# KiCad board DIP8breakout+potToUSB.kicad_pcb (continued)
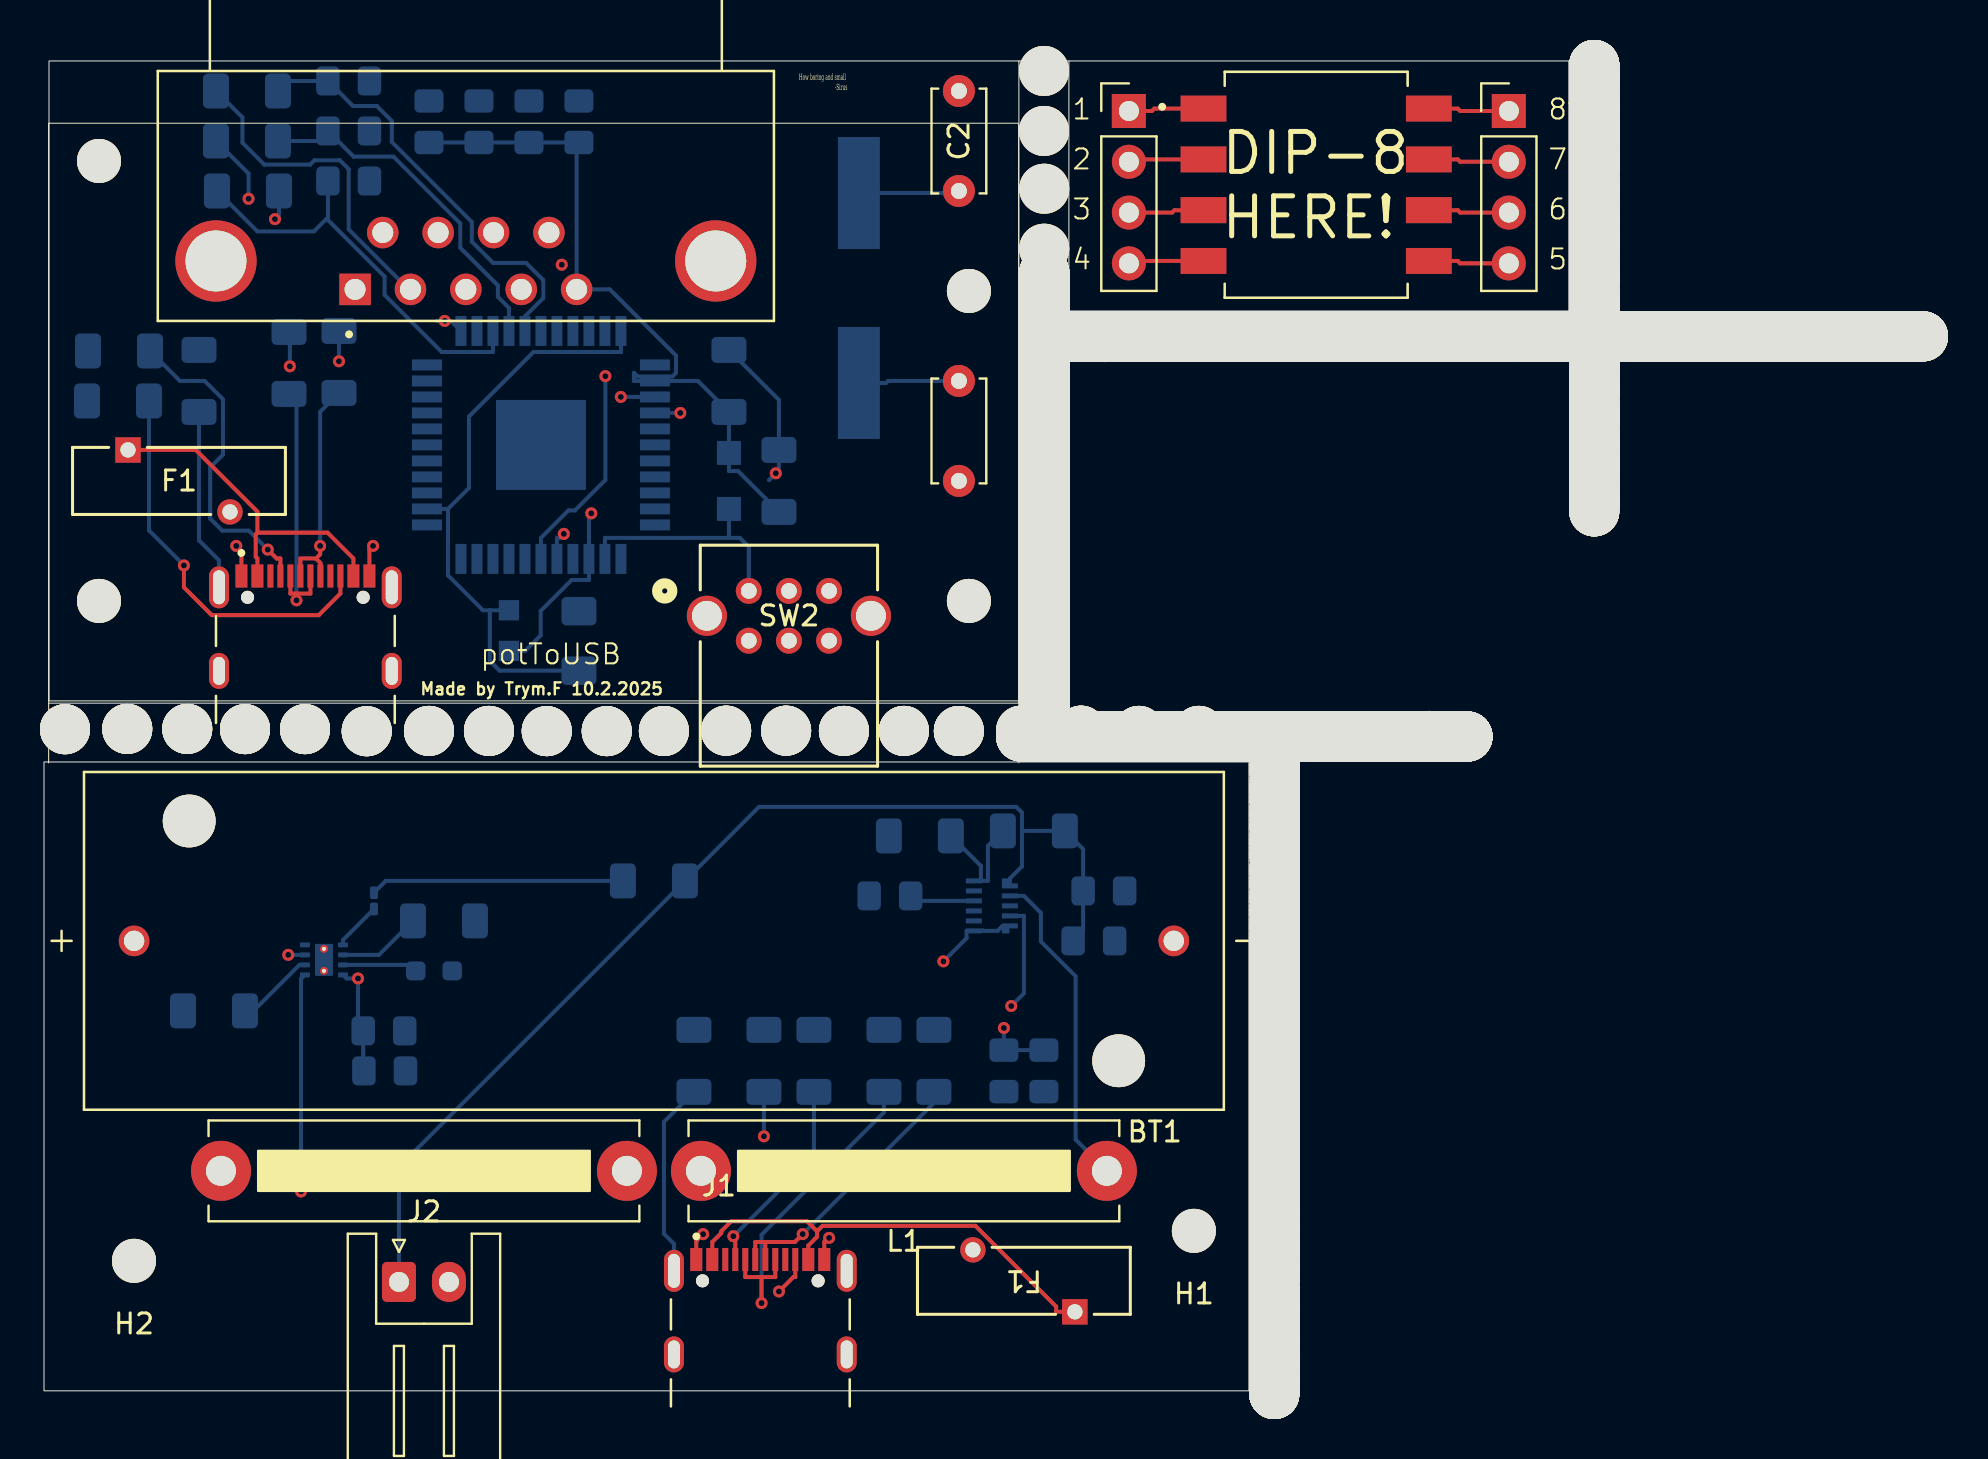
[diagram p0: board, top side]
## Placement (name value [footprint] x y rotation side) (continued)
NOREF#5516  -  [unnamed]  77.52 61.94 90 top
NOREF#5517  -  [unnamed]  50.02 50.07 90 top
NOREF#5518  -  [unnamed]  77.52 63.14 90 top
NOREF#5519  -  [unnamed]  77.52 64.7 90 top
NOREF#5520  -  [unnamed]  53.42 32.72 0 top
NOREF#5521  -  [unnamed]  50.02 42.59 90 top
NOREF#5522  -  [unnamed]  77.52 63.84 90 top
NOREF#5523  -  [unnamed]  61.55 31.27 90 top
NOREF#5524  -  [unnamed]  61.52 6.88 270 top
NOREF#5525  -  [unnamed]  77.52 59.8 90 top
NOREF#5526  -  [unnamed]  49.26 32.72 0 top
NOREF#5527  -  [unnamed]  77.52 64.7 90 top
NOREF#5528  -  [unnamed]  50.02 37.95 90 top
NOREF#5529  -  [unnamed]  89.6 52.73 180 top
NOREF#5530  -  [unnamed]  61.52 16.94 270 top
NOREF#5531  -  [unnamed]  81.84 52.73 180 top
NOREF#5532  -  [unnamed]  50.46 32.72 0 top
NOREF#5533  -  [unnamed]  59.32 32.72 0 top
NOREF#5534  -  [unnamed]  50.02 38.81 90 top
NOREF#5535  -  [unnamed]  61.55 28.31 90 top
NOREF#5536  -  [unnamed]  62.38 52.73 180 top
NOREF#5537  -  [unnamed]  69.08 52.73 180 top
NOREF#5538  -  [unnamed]  50.02 49.21 90 top
NOREF#5539  -  [unnamed]  61.55 25.89 90 top
NOREF#5540  -  [unnamed]  61.52 14.52 270 top
NOREF#5541  -  [unnamed]  78.14 52.73 180 top
NOREF#5542  -  [unnamed]  77.52 63.34 90 top
NOREF#5543  -  [unnamed]  77.52 54.64 90 top
NOREF#5544  -  [unnamed]  84.96 52.73 180 top
NOREF#5545  -  [unnamed]  91.5 52.73 180 top
NOREF#5546  -  [unnamed]  61.55 27.37 90 top
NOREF#5547  -  [unnamed]  58.12 32.72 0 top
NOREF#5548  -  [unnamed]  77.52 50.02 90 top
NOREF#5549  -  [unnamed]  50.02 34.85 90 top
NOREF#5550  -  [unnamed]  68.22 32.72 0 top
NOREF#5551  -  [unnamed]  77.52 64.5 90 top
NOREF#5552  -  [unnamed]  61.55 26.29 90 top
NOREF#5553  -  [unnamed]  61.55 19.61 90 top
NOREF#5554  -  [unnamed]  63.28 32.72 0 top
NOREF#5555  -  [unnamed]  61.55 30.67 90 top
NOREF#5556  -  [unnamed]  83.96 52.73 180 top
NOREF#5557  -  [unnamed]  74.1 52.73 180 top
NOREF#5558  -  [unnamed]  86.32 52.73 180 top
NOREF#5559  -  [unnamed]  61.52 20.36 270 top
NOREF#5560  -  [unnamed]  61.55 12.07 90 top
NOREF#5561  -  [unnamed]  61.55 30.33 90 top
NOREF#5562  -  [unnamed]  60.78 52.73 180 top
NOREF#5563  -  [unnamed]  67.56 32.72 0 top
NOREF#5564  -  [unnamed]  61.55 18.61 90 top
NOREF#5565  -  [unnamed]  61.52 20.36 270 top
NOREF#5566  -  [unnamed]  61.52 2.3 270 top
NOREF#5567  -  [unnamed]  50.02 34.19 90 top
NOREF#5568  -  [unnamed]  61.52 10.5 270 top
NOREF#5569  -  [unnamed]  77.52 48.34 90 top
NOREF#5570  -  [unnamed]  77.52 65.7 90 top
NOREF#5571  -  [unnamed]  77.52 53.98 90 top
NOREF#5572  -  [unnamed]  50.02 46.65 90 top
NOREF#5573  -  [unnamed]  50.02 46.91 90 top
NOREF#5574  -  [unnamed]  59.06 32.72 0 top
NOREF#5575  -  [unnamed]  77.52 46.74 90 top
NOREF#5576  -  [unnamed]  50.02 39.63 90 top
NOREF#5577  -  [unnamed]  77.52 52.78 90 top
NOREF#5578  -  [unnamed]  61.55 12.57 90 top
NOREF#5579  -  [unnamed]  89.6 52.73 180 top
NOREF#5580  -  [unnamed]  61.55 31.07 90 top
NOREF#5581  -  [unnamed]  68.02 52.73 180 top
NOREF#5582  -  [unnamed]  61.52 12.9 270 top
NOREF#5583  -  [unnamed]  65.96 32.72 0 top
NOREF#5584  -  [unnamed]  61.55 11.87 90 top
NOREF#5585  -  [unnamed]  61.55 10.01 90 top
NOREF#5586  -  [unnamed]  83.56 52.73 180 top
NOREF#5587  -  [unnamed]  50.02 46.85 90 top
NOREF#5588  -  [unnamed]  50.02 39.83 90 top
NOREF#5589  -  [unnamed]  61.55 16.85 90 top
NOREF#5590  -  [unnamed]  50.02 50.49 90 top
NOREF#5591  -  [unnamed]  61.55 27.77 90 top
NOREF#5592  -  [unnamed]  52.88 32.72 0 top
NOREF#5593  -  [unnamed]  50.02 36.05 90 top
NOREF#5594  -  [unnamed]  61.52 0.7 270 top
NOREF#5595  -  [unnamed]  77.52 48 90 top
NOREF#5596  -  [unnamed]  64.68 32.72 0 top
NOREF#5597  -  [unnamed]  50.02 33.99 90 top
NOREF#5598  -  [unnamed]  61.55 16.85 90 top
NOREF#5599  -  [unnamed]  50.02 47.31 90 top
NOREF#5600  -  [unnamed]  61.55 11.41 90 top
NOREF#5601  -  [unnamed]  77.52 48.34 90 top
NOREF#5602  -  [unnamed]  61.55 19.27 90 top
NOREF#5603  -  [unnamed]  83.76 52.73 180 top
NOREF#5604  -  [unnamed]  72.3 52.73 180 top
NOREF#5605  -  [unnamed]  61.52 4.86 270 top
NOREF#5606  -  [unnamed]  70.08 52.73 180 top
NOREF#5607  -  [unnamed]  77.52 65.64 90 top
NOREF#5608  -  [unnamed]  55.88 52.73 180 top
NOREF#5609  -  [unnamed]  50.02 42.39 90 top
NOREF#5610  -  [unnamed]  56.34 52.73 180 top
NOREF#5611  -  [unnamed]  77.52 65.44 90 top
NOREF#5612  -  [unnamed]  75.06 52.73 180 top
NOREF#5613  -  [unnamed]  61.52 9.1 270 top
NOREF#5614  -  [unnamed]  77.52 61.48 90 top
NOREF#5615  -  [unnamed]  66.2 52.73 180 top
NOREF#5616  -  [unnamed]  77.52 64.9 90 top
NOREF#5617  -  [unnamed]  80.24 52.73 180 top
NOREF#5618  -  [unnamed]  61.55 13.43 90 top
NOREF#5619  -  [unnamed]  61.55 29.67 90 top
NOREF#5620  -  [unnamed]  50.02 46.11 90 top
NOREF#5621  -  [unnamed]  56.5 32.72 0 top
NOREF#5622  -  [unnamed]  61.52 14.46 270 top
NOREF#5623  -  [unnamed]  56.96 32.72 0 top
NOREF#5624  -  [unnamed]  53.68 32.72 0 top
NOREF#5625  -  [unnamed]  61.52 21.76 270 top
NOREF#5626  -  [unnamed]  62.88 32.72 0 top
NOREF#5627  -  [unnamed]  61.52 6.88 270 top
NOREF#5628  -  [unnamed]  68.92 32.72 0 top
NOREF#5629  -  [unnamed]  77.52 63.14 90 top
NOREF#5630  -  [unnamed]  61.55 14.17 90 top
NOREF#5631  -  [unnamed]  57.66 32.72 0 top
NOREF#5632  -  [unnamed]  66.74 52.73 180 top
NOREF#5633  -  [unnamed]  61.55 19.07 90 top
NOREF#5634  -  [unnamed]  50.02 54.31 90 top
NOREF#5635  -  [unnamed]  61.52 20.9 270 top
NOREF#5636  -  [unnamed]  61.55 28.51 90 top
NOREF#5637  -  [unnamed]  59.72 32.72 0 top
NOREF#5638  -  [unnamed]  68.88 52.73 180 top
NOREF#5639  -  [unnamed]  61.52 3.2 270 top
NOREF#5640  -  [unnamed]  56.76 32.72 0 top
NOREF#5641  -  [unnamed]  61.52 7.08 270 top
NOREF#5642  -  [unnamed]  73.9 52.73 180 top
NOREF#5643  -  [unnamed]  50.02 37.95 90 top
NOREF#5644  -  [unnamed]  50.02 43.05 90 top
NOREF#5645  -  [unnamed]  77.52 52.58 90 top
NOREF#5646  -  [unnamed]  61.52 5.88 270 top
NOREF#5647  -  [unnamed]  61.52 13.36 270 top
NOREF#5648  -  [unnamed]  85.86 52.73 180 top
NOREF#5649  -  [unnamed]  50.02 53.45 90 top
NOREF#5650  -  [unnamed]  91.96 52.73 180 top
NOREF#5651  -  [unnamed]  87.26 52.73 180 top
NOREF#5652  -  [unnamed]  61.55 27.57 90 top
NOREF#5653  -  [unnamed]  61.52 3.46 270 top
NOREF#5654  -  [unnamed]  61.52 18.14 270 top
NOREF#5655  -  [unnamed]  61.52 1.9 270 top
NOREF#5656  -  [unnamed]  77.52 54.38 90 top
NOREF#5657  -  [unnamed]  77.52 57.9 90 top
NOREF#5658  -  [unnamed]  70.32 32.72 0 top
NOREF#5659  -  [unnamed]  50.02 50.89 90 top
NOREF#5660  -  [unnamed]  67.36 32.72 0 top
NOREF#5661  -  [unnamed]  52.72 52.73 180 top
NOREF#5662  -  [unnamed]  50.02 33.79 90 top
NOREF#5663  -  [unnamed]  77.52 48.74 90 top
NOREF#5664  -  [unnamed]  83.96 52.73 180 top
NOREF#5665  -  [unnamed]  51.52 52.73 180 top
NOREF#5666  -  [unnamed]  56.5 32.72 0 top
NOREF#5667  -  [unnamed]  89.14 52.73 180 top
NOREF#5668  -  [unnamed]  50.02 37.41 90 top
NOREF#5669  -  [unnamed]  76.66 52.73 180 top
NOREF#5670  -  [unnamed]  61.55 13.43 90 top
NOREF#5671  -  [unnamed]  61.55 23.83 90 top
NOREF#5672  -  [unnamed]  61.55 29.47 90 top
NOREF#5673  -  [unnamed]  61.52 6.14 270 top
NOREF#5674  -  [unnamed]  75.26 52.73 180 top
NOREF#5675  -  [unnamed]  52.68 32.72 0 top
NOREF#5676  -  [unnamed]  61.18 32.72 0 top
NOREF#5677  -  [unnamed]  51.52 52.73 180 top
NOREF#5678  -  [unnamed]  50.02 38.15 90 top
NOREF#5679  -  [unnamed]  69.08 52.73 180 top
NOREF#5680  -  [unnamed]  77.52 65.44 90 top
NOREF#5681  -  [unnamed]  53.18 52.73 180 top
NOREF#5682  -  [unnamed]  68.42 52.73 180 top
NOREF#5683  -  [unnamed]  84.5 52.73 180 top
NOREF#5684  -  [unnamed]  61.55 21.73 90 top
NOREF#5685  -  [unnamed]  61.52 14.92 270 top
NOREF#5686  -  [unnamed]  61.55 27.11 90 top
NOREF#5687  -  [unnamed]  61.55 30.87 90 top
NOREF#5688  -  [unnamed]  64.28 32.72 0 top
NOREF#5689  -  [unnamed]  61.52 8.64 270 top
NOREF#5690  -  [unnamed]  61.55 27.57 90 top
NOREF#5691  -  [unnamed]  51.82 32.72 0 top
NOREF#5692  -  [unnamed]  78.88 52.73 180 top
NOREF#5693  -  [unnamed]  53.12 52.73 180 top
NOREF#5694  -  [unnamed]  61.55 17.51 90 top
NOREF#5695  -  [unnamed]  50.02 51.55 90 top
NOREF#5696  -  [unnamed]  51.52 52.73 180 top
NOREF#5697  -  [unnamed]  77.52 46.44 90 top
NOREF#5698  -  [unnamed]  77.52 44.38 90 top
NOREF#5699  -  [unnamed]  85.86 52.73 180 top
NOREF#5700  -  [unnamed]  61.52 32.72 0 top
NOREF#5701  -  [unnamed]  66.82 32.72 0 top
NOREF#5702  -  [unnamed]  50.02 35.85 90 top
NOREF#5703  -  [unnamed]  63.78 52.73 180 top
NOREF#5704  -  [unnamed]  73.04 52.73 180 top
NOREF#5705  -  [unnamed]  74.8 52.73 180 top
NOREF#5706  -  [unnamed]  61.55 15.85 90 top
NOREF#5707  -  [unnamed]  59.52 52.73 180 top
NOREF#5708  -  [unnamed]  76.66 52.73 180 top
NOREF#5709  -  [unnamed]  61.55 11.87 90 top
NOREF#5710  -  [unnamed]  77.52 64.7 90 top
NOREF#5711  -  [unnamed]  54.54 52.73 180 top
NOREF#5712  -  [unnamed]  61.18 32.72 0 top
NOREF#5713  -  [unnamed]  77.52 50.02 90 top
NOREF#5714  -  [unnamed]  50.02 43.59 90 top
NOREF#5715  -  [unnamed]  49.26 32.72 0 top
NOREF#5716  -  [unnamed]  92.9 52.73 180 top
NOREF#5717  -  [unnamed]  77.52 59.06 90 top
NOREF#5718  -  [unnamed]  77.52 64.04 90 top
NOREF#5719  -  [unnamed]  61.52 8.44 270 top
NOREF#5720  -  [unnamed]  77.52 46.44 90 top
NOREF#5721  -  [unnamed]  68.02 32.72 0 top
NOREF#5722  -  [unnamed]  61.52 9.1 270 top
NOREF#5723  -  [unnamed]  87.92 52.73 180 top
NOREF#5724  -  [unnamed]  68.42 32.72 0 top
NOREF#5725  -  [unnamed]  80.24 52.73 180 top
NOREF#5726  -  [unnamed]  61.52 14.72 270 top
NOREF#5727  -  [unnamed]  61.55 15.25 90 top
NOREF#5728  -  [unnamed]  89.2 52.73 180 top
NOREF#5729  -  [unnamed]  77.52 63.54 90 top
NOREF#5730  -  [unnamed]  61.52 14.06 270 top
NOREF#5731  -  [unnamed]  54.28 52.73 180 top
NOREF#5732  -  [unnamed]  77.52 63.14 90 top
NOREF#5733  -  [unnamed]  80.9 52.73 180 top
NOREF#5734  -  [unnamed]  61.55 26.71 90 top
NOREF#5735  -  [unnamed]  61.52 2.6 270 top
NOREF#5736  -  [unnamed]  61.52 2.8 270 top
NOREF#5737  -  [unnamed]  77.52 60.46 90 top
NOREF#5738  -  [unnamed]  89.4 52.73 180 top
NOREF#5739  -  [unnamed]  63.44 52.73 180 top
NOREF#5740  -  [unnamed]  77.52 47.8 90 top
NOREF#5741  -  [unnamed]  61.52 19.2 270 top
NOREF#5742  -  [unnamed]  77.52 45.58 90 top
NOREF#5743  -  [unnamed]  54.7 32.72 0 top
NOREF#5744  -  [unnamed]  77.52 44.18 90 top
NOREF#5745  -  [unnamed]  63.28 32.72 0 top
NOREF#5746  -  [unnamed]  53.02 32.72 0 top
NOREF#5747  -  [unnamed]  77.52 64.9 90 top
NOREF#5748  -  [unnamed]  58.56 52.73 180 top
NOREF#5749  -  [unnamed]  50.02 52.09 90 top
NOREF#5750  -  [unnamed]  61.52 5.06 270 top
NOREF#5751  -  [unnamed]  61.55 12.77 90 top
NOREF#5752  -  [unnamed]  61.55 10.67 90 top
NOREF#5753  -  [unnamed]  66.82 32.72 0 top
NOREF#5754  -  [unnamed]  61.52 3.66 270 top
NOREF#5755  -  [unnamed]  77.52 48.54 90 top
NOREF#5756  -  [unnamed]  50.02 38.35 90 top
NOREF#5757  -  [unnamed]  77.52 56.1 90 top
NOREF#5758  -  [unnamed]  68.88 52.73 180 top
NOREF#5759  -  [unnamed]  67.16 32.72 0 top
NOREF#5760  -  [unnamed]  50.02 48.87 90 top
NOREF#5761  -  [unnamed]  61.55 20.47 90 top
NOREF#5762  -  [unnamed]  50.02 47.51 90 top
NOREF#5763  -  [unnamed]  61.52 19.7 270 top
NOREF#5764  -  [unnamed]  50.02 45.91 90 top
NOREF#5765  -  [unnamed]  61.72 32.72 0 top
NOREF#5766  -  [unnamed]  77.52 62.68 90 top
NOREF#5767  -  [unnamed]  69.38 32.72 0 top
NOREF#5768  -  [unnamed]  61.55 30.53 90 top
NOREF#5769  -  [unnamed]  61.52 10.7 270 top
NOREF#5770  -  [unnamed]  61.55 24.23 90 top
NOREF#5771  -  [unnamed]  84.7 52.73 180 top
NOREF#5772  -  [unnamed]  79.74 52.73 180 top
NOREF#5773  -  [unnamed]  50.02 45.91 90 top
NOREF#5774  -  [unnamed]  84.5 52.73 180 top
NOREF#5775  -  [unnamed]  61.52 20.36 270 top
NOREF#5776  -  [unnamed]  53.88 32.72 0 top
NOREF#5777  -  [unnamed]  56.96 32.72 0 top
NOREF#5778  -  [unnamed]  90.8 52.73 180 top
NOREF#5779  -  [unnamed]  77.52 54.18 90 top
NOREF#5780  -  [unnamed]  73.04 52.73 180 top
NOREF#5781  -  [unnamed]  61.55 24.69 90 top
NOREF#5782  -  [unnamed]  65.14 32.72 0 top
NOREF#5783  -  [unnamed]  61.55 28.11 90 top
NOREF#5784  -  [unnamed]  66.62 32.72 0 top
NOREF#5785  -  [unnamed]  61.55 11.41 90 top
NOREF#5786  -  [unnamed]  60.52 32.72 0 top
NOREF#5787  -  [unnamed]  61.52 12.16 270 top
NOREF#5788  -  [unnamed]  61.55 11.87 90 top
NOREF#5789  -  [unnamed]  50.02 37.61 90 top
NOREF#5790  -  [unnamed]  90.8 52.73 180 top
NOREF#5791  -  [unnamed]  53.58 52.73 180 top
NOREF#5792  -  [unnamed]  50.02 51.55 90 top
NOREF#5793  -  [unnamed]  50.02 43.79 90 top
NOREF#5794  -  [unnamed]  57.82 52.73 180 top
NOREF#5795  -  [unnamed]  50.02 53.15 90 top
NOREF#5796  -  [unnamed]  73.44 52.73 180 top
NOREF#5797  -  [unnamed]  61.55 15.65 90 top
NOREF#5798  -  [unnamed]  61.52 2.8 270 top
NOREF#5799  -  [unnamed]  77.52 53.04 90 top
NOREF#5800  -  [unnamed]  77.52 56.1 90 top
NOREF#5801  -  [unnamed]  61.52 20.56 270 top
NOREF#5802  -  [unnamed]  64.64 52.73 180 top
NOREF#5803  -  [unnamed]  61.55 25.43 90 top
NOREF#5804  -  [unnamed]  61.52 6.14 270 top
NOREF#5805  -  [unnamed]  50.02 55.71 90 top
NOREF#5806  -  [unnamed]  66.62 32.72 0 top
NOREF#5807  -  [unnamed]  56.76 52.73 180 top
NOREF#5808  -  [unnamed]  63.98 52.73 180 top
NOREF#5809  -  [unnamed]  77.52 61.48 90 top
NOREF#5810  -  [unnamed]  61.52 5.68 270 top
NOREF#5811  -  [unnamed]  61.52 7.08 270 top
NOREF#5812  -  [unnamed]  76 52.73 180 top
NOREF#5813  -  [unnamed]  83.56 52.73 180 top
NOREF#5814  -  [unnamed]  61.52 5.88 270 top
NOREF#5815  -  [unnamed]  61.52 4 270 top
NOREF#5816  -  [unnamed]  71.18 32.72 0 top
NOREF#5817  -  [unnamed]  77.52 57.7 90 top
NOREF#5818  -  [unnamed]  52.02 32.72 0 top
NOREF#5819  -  [unnamed]  61.55 9.81 90 top
NOREF#5820  -  [unnamed]  77.52 61.74 90 top
NOREF#5821  -  [unnamed]  61.55 23.33 90 top
NOREF#5822  -  [unnamed]  50.02 43.39 90 top
NOREF#5823  -  [unnamed]  50.02 39.43 90 top
NOREF#5824  -  [unnamed]  71.84 52.73 180 top
NOREF#5825  -  [unnamed]  77.52 65.9 90 top
NOREF#5826  -  [unnamed]  58.76 52.73 180 top
NOREF#5827  -  [unnamed]  61.55 29.67 90 top
NOREF#5828  -  [unnamed]  49.72 32.72 0 top
NOREF#5829  -  [unnamed]  50.02 40.09 90 top
NOREF#5830  -  [unnamed]  77.52 64.9 90 top
NOREF#5831  -  [unnamed]  77.52 57.7 90 top
NOREF#5832  -  [unnamed]  61.55 10.21 90 top
NOREF#5833  -  [unnamed]  61.55 27.77 90 top
NOREF#5834  -  [unnamed]  66.4 52.73 180 top
NOREF#5835  -  [unnamed]  77.52 56.1 90 top
NOREF#5836  -  [unnamed]  77.52 45.58 90 top
NOREF#5837  -  [unnamed]  89.6 52.73 180 top
NOREF#5838  -  [unnamed]  61.55 30.87 90 top
NOREF#5839  -  [unnamed]  61.52 4.4 270 top
NOREF#5840  -  [unnamed]  61.55 24.03 90 top
NOREF#5841  -  [unnamed]  77.52 59.06 90 top
NOREF#5842  -  [unnamed]  84.7 52.73 180 top
NOREF#5843  -  [unnamed]  86.06 52.73 180 top
NOREF#5844  -  [unnamed]  78.88 52.73 180 top
NOREF#5845  -  [unnamed]  81.1 52.73 180 top
NOREF#5846  -  [unnamed]  50.02 40.29 90 top
NOREF#5847  -  [unnamed]  50.02 37.41 90 top
NOREF#5848  -  [unnamed]  80.04 52.73 180 top
NOREF#5849  -  [unnamed]  63.28 32.72 0 top
NOREF#5850  -  [unnamed]  61.52 2.3 270 top
NOREF#5851  -  [unnamed]  76.2 52.73 180 top
NOREF#5852  -  [unnamed]  61.52 8.64 270 top
NOREF#5853  -  [unnamed]  61.52 0.7 270 top
NOREF#5854  -  [unnamed]  86.52 52.73 180 top
NOREF#5855  -  [unnamed]  57.16 52.73 180 top
NOREF#5856  -  [unnamed]  50.02 39.23 90 top
NOREF#5857  -  [unnamed]  61.55 18.21 90 top
NOREF#5858  -  [unnamed]  61.52 21.76 270 top
NOREF#5859  -  [unnamed]  91.96 52.73 180 top
NOREF#5860  -  [unnamed]  61.55 18.41 90 top
NOREF#5861  -  [unnamed]  76 52.73 180 top
NOREF#5862  -  [unnamed]  55.36 32.72 0 top
NOREF#5863  -  [unnamed]  50.02 44.25 90 top
NOREF#5864  -  [unnamed]  50.02 48.47 90 top
NOREF#5865  -  [unnamed]  63.28 32.72 0 top
NOREF#5866  -  [unnamed]  62.38 32.72 0 top
NOREF#5867  -  [unnamed]  69.82 52.73 180 top
NOREF#5868  -  [unnamed]  70.08 52.73 180 top
NOREF#5869  -  [unnamed]  61.52 12.9 270 top
NOREF#5870  -  [unnamed]  90.14 52.73 180 top
NOREF#5871  -  [unnamed]  66.74 52.73 180 top
NOREF#5872  -  [unnamed]  50.02 48.47 90 top
NOREF#5873  -  [unnamed]  61.55 17.91 90 top
NOREF#5874  -  [unnamed]  69.58 32.72 0 top
NOREF#5875  -  [unnamed]  93.1 52.73 180 top
NOREF#5876  -  [unnamed]  61.55 11.87 90 top
NOREF#5877  -  [unnamed]  61.52 19.7 270 top
NOREF#5878  -  [unnamed]  57.16 52.73 180 top
NOREF#5879  -  [unnamed]  61.55 12.77 90 top
NOREF#5880  -  [unnamed]  54.7 32.72 0 top
NOREF#5881  -  [unnamed]  61.52 11.96 270 top
NOREF#5882  -  [unnamed]  51.78 52.73 180 top
NOREF#5883  -  [unnamed]  55.56 32.72 0 top
NOREF#5884  -  [unnamed]  63.48 32.72 0 top
NOREF#5885  -  [unnamed]  61.55 17.05 90 top
NOREF#5886  -  [unnamed]  61.55 10.21 90 top
NOREF#5887  -  [unnamed]  85.86 52.73 180 top
NOREF#5888  -  [unnamed]  61.55 20.47 90 top
NOREF#5889  -  [unnamed]  61.52 1.9 270 top
NOREF#5890  -  [unnamed]  82.7 52.73 180 top
NOREF#5891  -  [unnamed]  54.08 32.72 0 top
NOREF#5892  -  [unnamed]  81.1 52.73 180 top
NOREF#5893  -  [unnamed]  61.52 16.94 270 top
NOREF#5894  -  [unnamed]  65.34 32.72 0 top
NOREF#5895  -  [unnamed]  50.02 45.91 90 top
NOREF#5896  -  [unnamed]  77.52 55.64 90 top
NOREF#5897  -  [unnamed]  52.48 32.72 0 top
NOREF#5898  -  [unnamed]  61.55 23.83 90 top
NOREF#5899  -  [unnamed]  61.52 9.1 270 top
NOREF#5900  -  [unnamed]  85.86 52.73 180 top
NOREF#5901  -  [unnamed]  50.02 46.11 90 top
NOREF#5902  -  [unnamed]  77.52 54.18 90 top
NOREF#5903  -  [unnamed]  77.52 64.5 90 top
NOREF#5904  -  [unnamed]  61.55 18.41 90 top
NOREF#5905  -  [unnamed]  72.5 52.73 180 top
NOREF#5906  -  [unnamed]  64.68 32.72 0 top
NOREF#5907  -  [unnamed]  61.55 12.27 90 top
NOREF#5908  -  [unnamed]  50.02 39.63 90 top
NOREF#5909  -  [unnamed]  65.54 52.73 180 top
NOREF#5910  -  [unnamed]  61.55 27.37 90 top
NOREF#5911  -  [unnamed]  83.76 52.73 180 top
NOREF#5912  -  [unnamed]  61.55 31.27 90 top
NOREF#5913  -  [unnamed]  61.52 14.26 270 top
NOREF#5914  -  [unnamed]  89.4 52.73 180 top
NOREF#5915  -  [unnamed]  66.94 52.73 180 top
NOREF#5916  -  [unnamed]  50.02 49.41 90 top
NOREF#5917  -  [unnamed]  77.52 44.18 90 top
NOREF#5918  -  [unnamed]  50.02 54.51 90 top
NOREF#5919  -  [unnamed]  54.74 52.73 180 top
NOREF#5920  -  [unnamed]  61.52 15.26 270 top
NOREF#5921  -  [unnamed]  61.55 29.67 90 top
NOREF#5922  -  [unnamed]  61.52 5.06 270 top
NOREF#5923  -  [unnamed]  88.54 52.73 180 top
NOREF#5924  -  [unnamed]  61.52 8.84 270 top
NOREF#5925  -  [unnamed]  61.52 14.52 270 top
NOREF#5926  -  [unnamed]  61.55 18.87 90 top
NOREF#5927  -  [unnamed]  61.55 10.67 90 top
NOREF#5928  -  [unnamed]  53.42 32.72 0 top
NOREF#5929  -  [unnamed]  61.55 12.27 90 top
NOREF#5930  -  [unnamed]  61.52 13.36 270 top
NOREF#5931  -  [unnamed]  51.78 52.73 180 top
NOREF#5932  -  [unnamed]  61.55 31.27 90 top
NOREF#5933  -  [unnamed]  69.78 32.72 0 top
NOREF#5934  -  [unnamed]  61.55 27.57 90 top
NOREF#5935  -  [unnamed]  55.94 52.73 180 top
NOREF#5936  -  [unnamed]  68.22 52.73 180 top
NOREF#5937  -  [unnamed]  77.52 63.14 90 top
NOREF#5938  -  [unnamed]  61.52 0.04 270 top
NOREF#5939  -  [unnamed]  51.98 52.73 180 top
NOREF#5940  -  [unnamed]  61.55 18.41 90 top
NOREF#5941  -  [unnamed]  50.02 35.19 90 top
NOREF#5942  -  [unnamed]  82.1 52.73 180 top
NOREF#5943  -  [unnamed]  61.52 11.5 270 top
NOREF#5944  -  [unnamed]  61.52 19.2 270 top
NOREF#5945  -  [unnamed]  92.16 52.73 180 top
NOREF#5946  -  [unnamed]  55.48 52.73 180 top
NOREF#5947  -  [unnamed]  93.3 52.73 180 top
NOREF#5948  -  [unnamed]  50.02 35.85 90 top
NOREF#5949  -  [unnamed]  64.68 32.72 0 top
NOREF#5950  -  [unnamed]  77.52 59.6 90 top
NOREF#5951  -  [unnamed]  61.55 31.53 90 top
NOREF#5952  -  [unnamed]  57.82 52.73 180 top
NOREF#5953  -  [unnamed]  77.52 53.98 90 top
NOREF#5954  -  [unnamed]  61.52 20.76 270 top
NOREF#5955  -  [unnamed]  61.55 20.01 90 top
NOREF#5956  -  [unnamed]  77.52 63.84 90 top
NOREF#5957  -  [unnamed]  61.55 30.87 90 top
NOREF#5958  -  [unnamed]  50.02 41.69 90 top
NOREF#5959  -  [unnamed]  50.02 52.75 90 top
NOREF#5960  -  [unnamed]  50.02 50.07 90 top
NOREF#5961  -  [unnamed]  61.55 10.01 90 top
NOREF#5962  -  [unnamed]  77.52 54.84 90 top
NOREF#5963  -  [unnamed]  77.52 50.02 90 top
NOREF#5964  -  [unnamed]  61.52 15.92 270 top
NOREF#5965  -  [unnamed]  53.18 52.73 180 top
NOREF#5966  -  [unnamed]  90.8 52.73 180 top
NOREF#5967  -  [unnamed]  51.12 32.72 0 top
NOREF#5968  -  [unnamed]  61.55 26.09 90 top
NOREF#5969  -  [unnamed]  61.55 11.21 90 top
NOREF#5970  -  [unnamed]  52.92 52.73 180 top
NOREF#5971  -  [unnamed]  50.02 35.85 90 top
NOREF#5972  -  [unnamed]  50.02 48.01 90 top
NOREF#5973  -  [unnamed]  61.52 6.54 270 top
NOREF#5974  -  [unnamed]  73.44 52.73 180 top
NOREF#5975  -  [unnamed]  77.52 64.5 90 top
NOREF#5976  -  [unnamed]  59.72 52.73 180 top
NOREF#5977  -  [unnamed]  61.55 10.67 90 top
NOREF#5978  -  [unnamed]  61.78 52.73 180 top
NOREF#5979  -  [unnamed]  61.52 18.14 270 top
NOREF#5980  -  [unnamed]  50.02 52.75 90 top
NOREF#5981  -  [unnamed]  76.2 52.73 180 top
NOREF#5982  -  [unnamed]  66.62 32.72 0 top
NOREF#5983  -  [unnamed]  90.8 52.73 180 top
NOREF#5984  -  [unnamed]  50.02 39.63 90 top
NOREF#5985  -  [unnamed]  61.55 13.77 90 top
NOREF#5986  -  [unnamed]  74.8 52.73 180 top
NOREF#5987  -  [unnamed]  77.52 44.84 90 top
NOREF#5988  -  [unnamed]  70.28 52.73 180 top
NOREF#5989  -  [unnamed]  50.12 32.72 0 top
NOREF#5990  -  [unnamed]  83.1 52.73 180 top
NOREF#5991  -  [unnamed]  63.98 52.73 180 top
NOREF#5992  -  [unnamed]  50.02 36.55 90 top
NOREF#5993  -  [unnamed]  51.32 52.73 180 top
NOREF#5994  -  [unnamed]  61.55 14.83 90 top
NOREF#5995  -  [unnamed]  91 52.73 180 top
NOREF#5996  -  [unnamed]  55.56 32.72 0 top
NOREF#5997  -  [unnamed]  77.52 55.04 90 top
NOREF#5998  -  [unnamed]  61.55 29.87 90 top
NOREF#5999  -  [unnamed]  63.04 52.73 180 top
NOREF#6000  -  [unnamed]  83.1 52.73 180 top
NOREF#6001  -  [unnamed]  61.55 28.31 90 top
NOREF#6002  -  [unnamed]  50.02 36.05 90 top
NOREF#6003  -  [unnamed]  73.04 52.73 180 top
NOREF#6004  -  [unnamed]  64.48 32.72 0 top
NOREF#6005  -  [unnamed]  61.52 21.96 270 top
NOREF#6006  -  [unnamed]  77.52 62.14 90 top
NOREF#6007  -  [unnamed]  91.5 52.73 180 top
NOREF#6008  -  [unnamed]  61.52 10.5 270 top
NOREF#6009  -  [unnamed]  53.22 32.72 0 top
NOREF#6010  -  [unnamed]  53.22 32.72 0 top
NOREF#6011  -  [unnamed]  50.02 42.39 90 top
NOREF#6012  -  [unnamed]  59.52 32.72 0 top
NOREF#6013  -  [unnamed]  54.74 52.73 180 top
NOREF#6014  -  [unnamed]  77.52 48.54 90 top
NOREF#6015  -  [unnamed]  61.52 21.96 270 top
NOREF#6016  -  [unnamed]  50.02 47.81 90 top
NOREF#6017  -  [unnamed]  61.55 31.27 90 top
NOREF#6018  -  [unnamed]  54.74 52.73 180 top
NOREF#6019  -  [unnamed]  61.55 17.91 90 top
NOREF#6020  -  [unnamed]  72.38 52.73 180 top
NOREF#6021  -  [unnamed]  60.92 52.73 180 top
NOREF#6022  -  [unnamed]  61.55 30.33 90 top
NOREF#6023  -  [unnamed]  61.52 0.24 270 top
NOREF#6024  -  [unnamed]  68.92 32.72 0 top
NOREF#6025  -  [unnamed]  50.02 51.75 90 top
NOREF#6026  -  [unnamed]  77.52 54.84 90 top
NOREF#6027  -  [unnamed]  66.16 32.72 0 top
NOREF#6028  -  [unnamed]  77.52 51.88 90 top
NOREF#6029  -  [unnamed]  61.52 7.94 270 top
NOREF#6030  -  [unnamed]  81.44 52.73 180 top
NOREF#6031  -  [unnamed]  61.52 12.16 270 top
NOREF#6032  -  [unnamed]  57.16 32.72 0 top
NOREF#6033  -  [unnamed]  77.52 48 90 top
NOREF#6034  -  [unnamed]  77.52 52.38 90 top
NOREF#6035  -  [unnamed]  50.02 42.39 90 top
NOREF#6036  -  [unnamed]  61.52 20.36 270 top
NOREF#6037  -  [unnamed]  61.52 15.46 270 top
NOREF#6038  -  [unnamed]  61.55 28.77 90 top
NOREF#6039  -  [unnamed]  85.36 52.73 180 top
NOREF#6040  -  [unnamed]  61.52 13.76 270 top
NOREF#6041  -  [unnamed]  61.52 19.7 270 top
NOREF#6042  -  [unnamed]  61.55 21.73 90 top
NOREF#6043  -  [unnamed]  61.52 6.54 270 top
NOREF#6044  -  [unnamed]  77.52 60.46 90 top
NOREF#6045  -  [unnamed]  87.46 52.73 180 top
NOREF#6046  -  [unnamed]  51.52 52.73 180 top
NOREF#6047  -  [unnamed]  50.02 55.71 90 top
NOREF#6048  -  [unnamed]  71.84 52.73 180 top
NOREF#6049  -  [unnamed]  69.78 32.72 0 top
NOREF#6050  -  [unnamed]  77.52 58.6 90 top
NOREF#6051  -  [unnamed]  50.02 54.51 90 top
NOREF#6052  -  [unnamed]  61.52 12.5 270 top
NOREF#6053  -  [unnamed]  77.52 52.78 90 top
NOREF#6054  -  [unnamed]  86.72 52.73 180 top
NOREF#6055  -  [unnamed]  68.72 32.72 0 top
NOREF#6056  -  [unnamed]  56.96 52.73 180 top
NOREF#6057  -  [unnamed]  61.52 7.74 270 top
NOREF#6058  -  [unnamed]  61.55 14.83 90 top
NOREF#6059  -  [unnamed]  68.42 32.72 0 top
NOREF#6060  -  [unnamed]  77.52 51.88 90 top
NOREF#6061  -  [unnamed]  68.22 32.72 0 top
NOREF#6062  -  [unnamed]  61.52 20.56 270 top
NOREF#6063  -  [unnamed]  50.02 48.01 90 top
NOREF#6064  -  [unnamed]  58.82 52.73 180 top
NOREF#6065  -  [unnamed]  50.86 32.72 0 top
NOREF#6066  -  [unnamed]  61.55 22.67 90 top
NOREF#6067  -  [unnamed]  59.92 52.73 180 top
NOREF#6068  -  [unnamed]  77.52 64.5 90 top
NOREF#6069  -  [unnamed]  77.68 52.73 180 top
NOREF#6070  -  [unnamed]  73.9 52.73 180 top
